# Altium PCB IMX93EVK-SOM_Only-BGA-Fanouts_PrePlaced.PcbDoc (part 3 of 4) (continued)
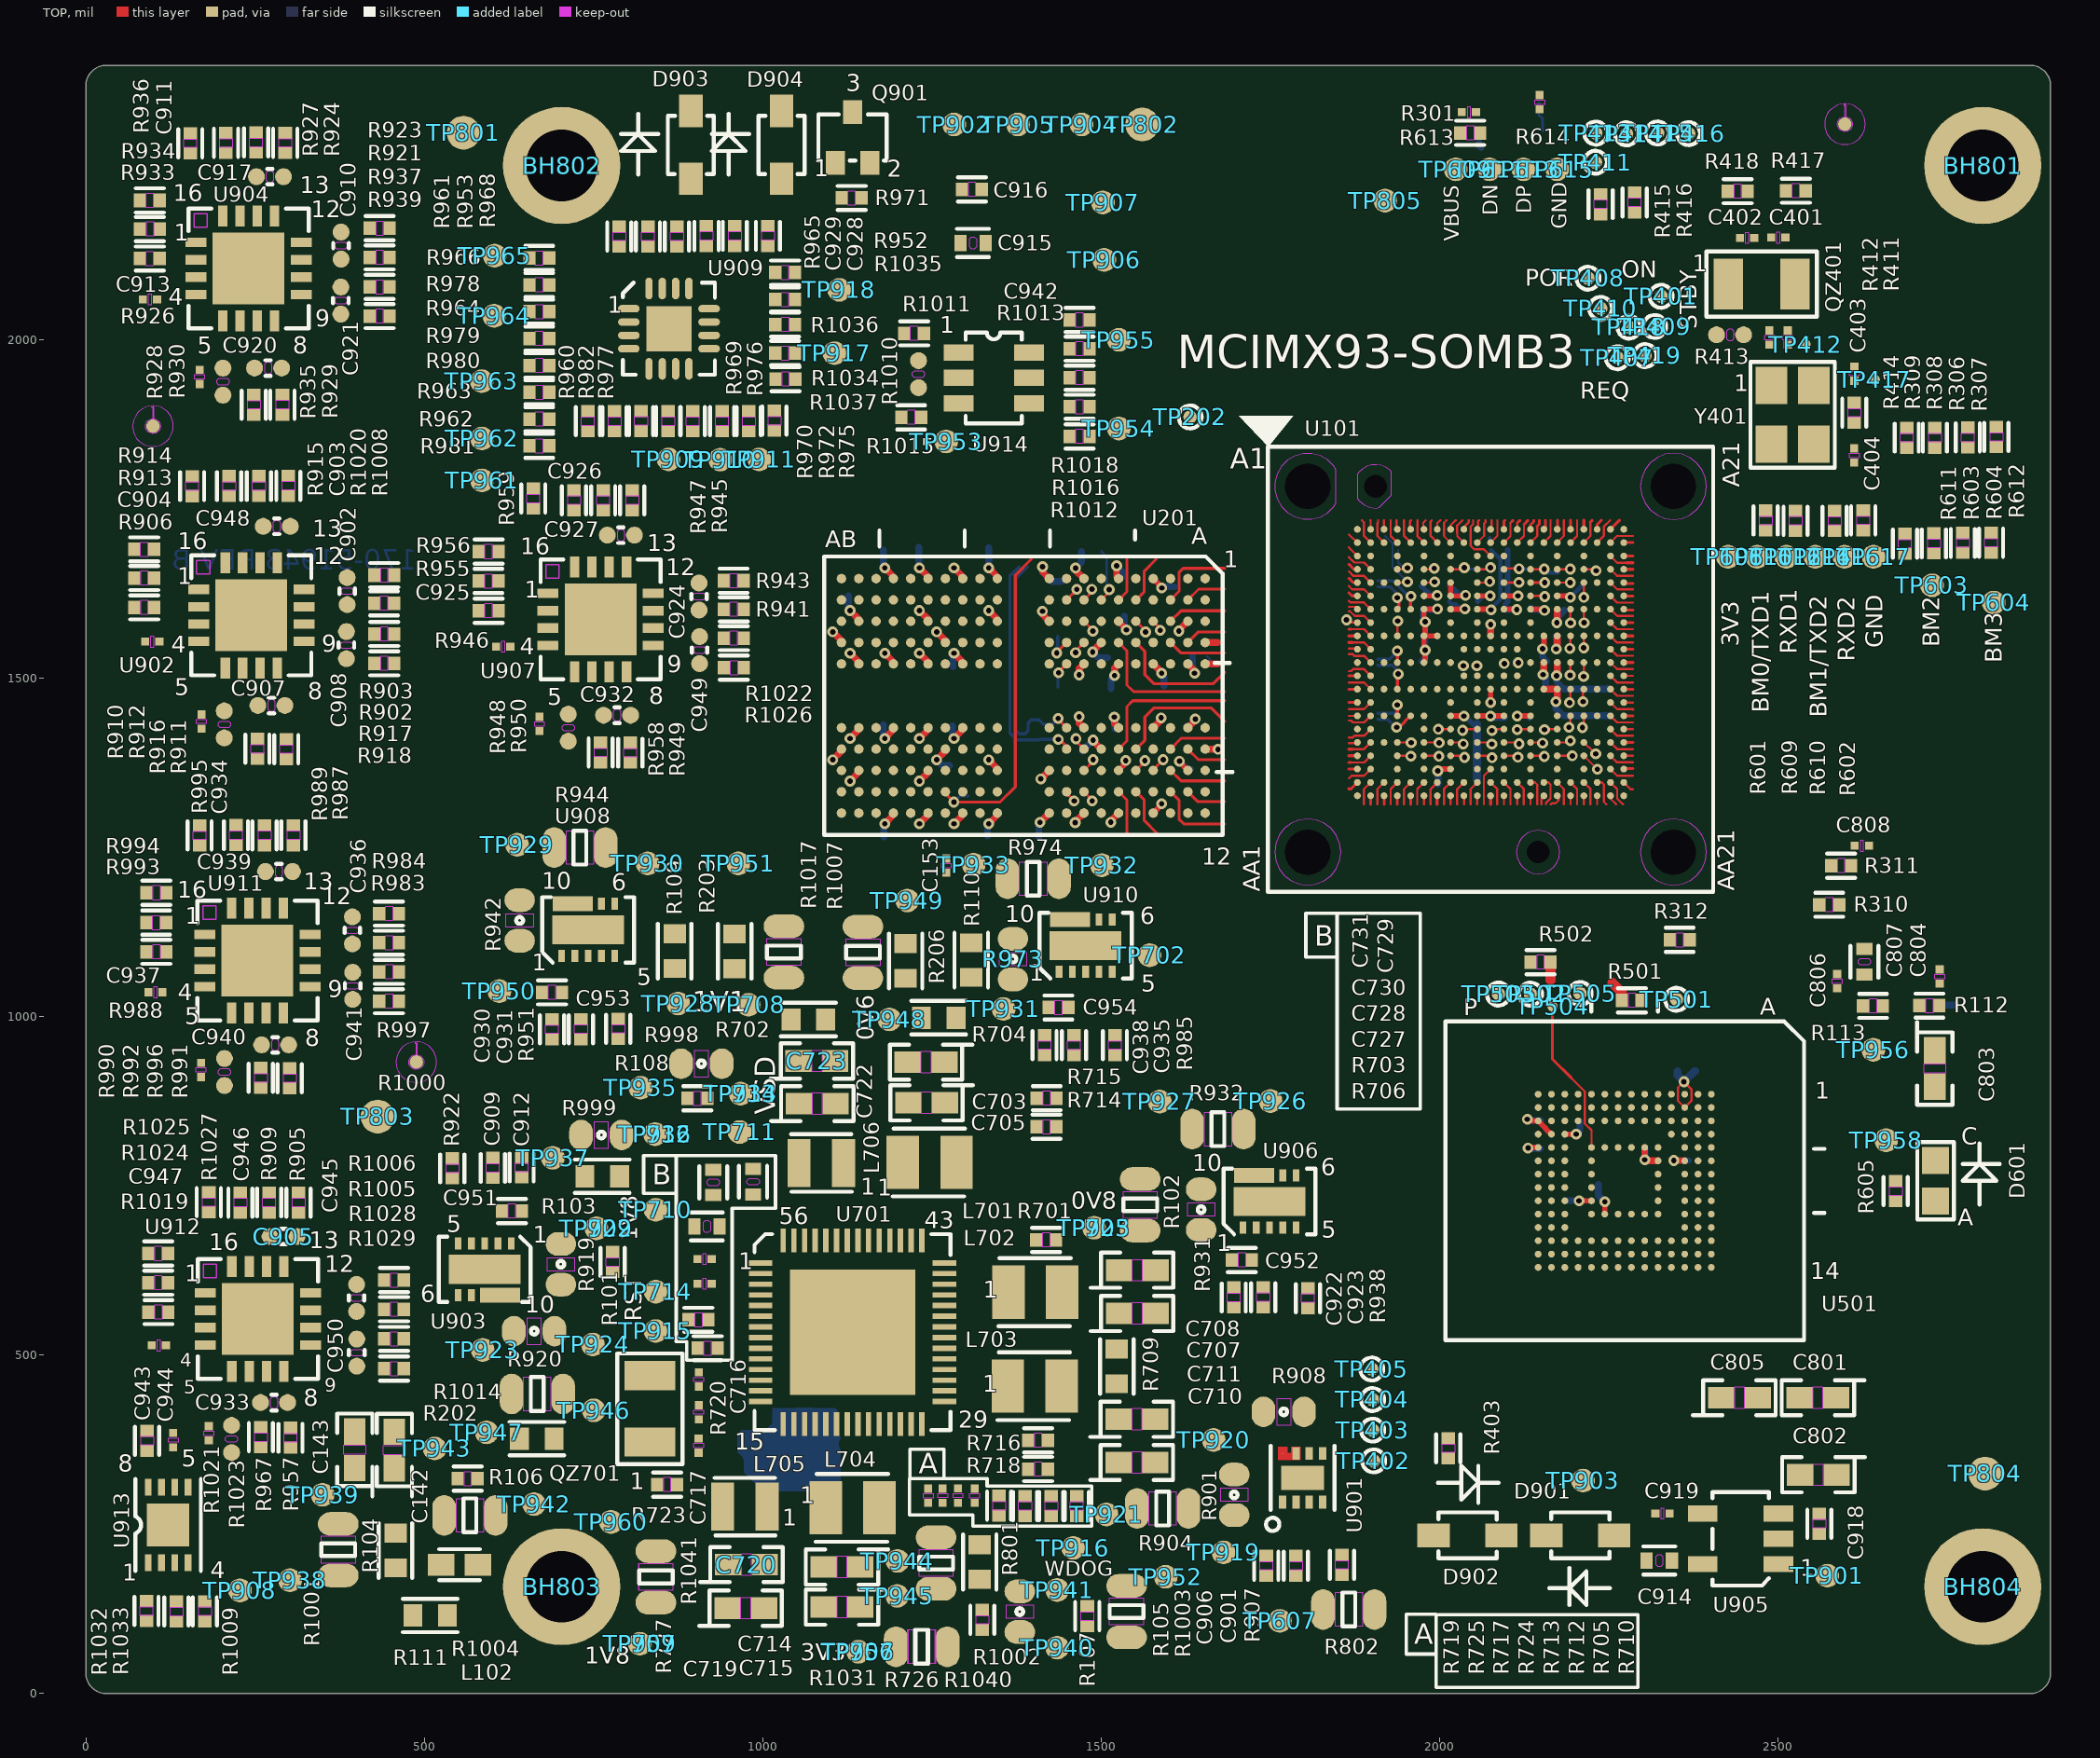
[diagram p0: TOP view]
## Nets (pads, with @x,y where several pads share a name; then routed paths per layer and width w, separated by ;. In a path a pad name is that pad's centre, name@x,y a point inside that pad or via, vN(x,y) a via of type N, cw(c..) or ccw(c..) an arc to the next point about the centre after c; other vN are vias at no path point) (continued)
  BOTTOM w10: C219.1@1126.83,1621.92 1126.83,1602.68 v1(1129.23,1600.28) ; C215.1@1178.33,1689.42 1178.33,1665.38 v1(1180.43,1663.28) ; C220.1@1178.6,1431.2 1178.6,1413.11 v1(1180.43,1411.28) ; C222.1@1179.22,1265.81 1179.22,1284.07 v1(1180.43,1285.28) ; C221.1@1534.49,1591.72 1534.49,1574.75 v1(1537.62,1571.62) ; v1(1589.66,1507.74) 1593.11,1504.29 C217.1@1593.11,1488.87 ; v1(1589.8,1633.6) 1591.74,1635.54 C216.1@1608.49,1635.54 ; v1(1616,1377.67) 1627.55,1366.12 C218.1@1632.44,1366.12 ; R209.1@1635.4,1532.71 1635.4,1510.66 v1(1638.31,1507.75)
LPD4/X_VDDQ_0V6: R110.2 R206.1 R702.2 R704.2 R921.1 R941.1 R973.1 R1007.1 TP702.1 TP931.1 TP948.1 U910.3 U910.11
LPD4X_VDDQ_0V6: C703.1 C705.1 L701.2 R704.1 U701.44
LVDS_CLK_N: J802.18 U101.A3 | length 13.2
  TOP w3.2: 1918.24,1731.24 1918.24,1733.57
  TOP w3.4: U101.A3@1918.24,1720.33 1918.24,1731.24
LVDS_CLK_P: J802.16 U101.B3 | length 37.4
  TOP w3.2: 1909.44,1733.57 1909.44,1730.58 1908.49,1729.63 1908.49,1710.4 U101.B3@1918.24,1700.65
LVDS_TX0_N: J802.30 U101.A5 | length 14.3
  TOP w3.2: U101.A5@1957.61,1720.33 1956.66,1721.28 1956.66,1732.04 1958.19,1733.57
LVDS_TX0_P: J802.28 U101.B5 | length 37
  TOP w3.2: 1947.86,1733.57 1947.86,1710.4 U101.B5@1957.61,1700.65
LVDS_TX1_N: J802.24 U101.A4 | length 13.7
  TOP w3.2: 1936.81,1733.57 1936.81,1721.44 U101.A4@1937.92,1720.33
LVDS_TX1_P: J802.22 U101.B4 | length 37
  TOP w3.2: 1928.01,1733.57 1928.01,1710.56 U101.B4@1937.92,1700.65
LVDS_TX2_N: J802.12 U101.A2 | length 13.3
  TOP w3.2: 1898.34,1733.57 1898.55,1733.36 U101.A2@1898.55,1720.33
LVDS_TX2_P: J802.10 U101.B2 | length 38.2
  TOP w3.2: 1885.74,1733.57 1888.68,1730.63 1888.68,1710.52 U101.B2@1898.55,1700.65
LVDS_TX3_N: J802.6 U101.B1 | length 17.4
  TOP w3.2: 1866.4,1712.56 1872.63,1706.33 1873.19,1706.33 U101.B1@1878.87,1700.65
LVDS_TX3_P: J802.4 U101.C1 | length 17.6
  TOP w3.2: 1866.4,1693.43 U101.C1@1878.87,1680.96
M1_SCL: R906.1 U902.4
M1_SDA: R910.1 U902.5
M2_SCL: R926.1 U904.4
M2_SDA: R928.1 U904.5
M3_SCL: R946.1 U907.4
M3_SDA: R948.1 U907.5
M4_SCL: R988.1 U911.4
M4_SDA: R990.1 U911.5
M5_SCL: R1019.1 U912.4
M5_SDA: R1021.1 U912.5
MX_POR_B: C405.1 R404.2 R406.2 TP408.1 U101.A16 | length 13.5
  TOP w4.4: U101.A16@2174.15,1720.33 2174.8,1720.98 2174.8,1733.57
NetC401_1: C401.1 QZ401.2 R412.2 R413.1
NetC710_1: C710.1 C711.1 L703.2 R709.2 R716.1
NetC728_1: C728.1 TP710.1 U701.2
NetC902_1: C902.1 R902.2 R1044.2 U902.11
NetC902_2: C902.2 R903.2 R1045.2 U902.12
NetC905_1: C905.1 R905.2 U912.13
NetC905_2: C905.2 R909.2 U912.14
NetC907_1: C907.1 R911.2 R1042.2 U902.8
NetC907_2: C907.2 R916.2 R1043.2 U902.7
NetC908_1: C908.1 R917.2 U902.10
NetC908_2: C908.2 R918.2 U902.9
NetC910_1: C910.1 R921.2 U904.11
NetC910_2: C910.2 R923.2 U904.12
NetC914_1: C914.1 D901.A U905.5
NetC917_1: C917.1 R924.2 U904.13
NetC917_2: C917.2 R927.2 U904.14
NetC919_1: C919.1 U905.4
NetC920_1: C920.1 R929.2 U904.8
NetC920_2: C920.2 R935.2 U904.7
NetC921_1: C921.1 R937.2 U904.10
NetC921_2: C921.2 R939.2 U904.9
NetC924_1: C924.1 R941.2 U907.11
NetC924_2: C924.2 R943.2 U907.12
NetC927_1: C927.1 R945.2 U907.13
NetC927_2: C927.2 R947.2 U907.14
NetC932_1: C932.1 R949.2 U907.8
NetC932_2: C932.2 R958.2 U907.7
NetC933_1: C933.1 R957.2 U912.8
NetC933_2: C933.2 R967.2 U912.7
NetC936_1: C936.1 R983.2 U911.11
NetC936_2: C936.2 R984.2 U911.12
NetC939_1: C939.1 R987.2 U911.13
NetC939_2: C939.2 R989.2 U911.14
NetC940_1: C940.1 R991.2 U911.8
NetC940_2: C940.2 R996.2 U911.7
NetC941_1: C941.1 R997.2 U911.10
NetC941_2: C941.2 R1000.2 U911.9
NetC945_1: C945.1 R1005.2 U912.11
NetC945_2: C945.2 R1006.2 U912.12
NetC948_1: C948.1 R1008.2 U902.13
NetC948_2: C948.2 R1020.2 U902.14
NetC949_1: C949.1 R1022.2 U907.10
NetC949_2: C949.2 R1026.2 U907.9
NetC950_1: C950.1 R1028.2 U912.10
NetC950_2: C950.2 R1029.2 U912.9
NetC951_1: C951.1 U903.1
NetC952_1: C952.1 U906.1
NetC953_1: C953.1 U908.1
NetC954_1: C954.1 U910.1
NetD601_A: D601.A R605.2
NetD903_A: D903.A D904.A R952.2 U909.11
NetD904_C: D904.C Q901.3
NetJ802_51: J802.51 TP805.1
NetL701_1: L701.1 U701.45 U701.46
NetL702_1: L702.1 U701.36 U701.37
NetL703_1: L703.1 U701.31 U701.32
NetL704_1: L704.1 U701.19 U701.20
NetL705_1: L705.1 U701.15
NetL706_1: L706.1 U701.50 U701.51
NetR302_2: R302.2 U101.D8 | length 42.4
  TOP w3.2: U101.D8@2016.66,1661.28 2034.53,1661.28 v1(2036.97,1663.72)
  BOTTOM w4.4: v1(2036.97,1663.72) 2039.25,1661.44 R302.2@2057.1,1661.44
NetR701_2: R701.2 R711.1 U701.38
NetR703_2: R703.2 R706.2 U701.8
NetR705_2: R705.2 R710.2 U701.28
NetR707_2: R707.2 U701.39
NetR708_2: R708.2 U701.40
NetR714_2: R714.2 U701.41
NetR715_2: R715.2 U701.42
NetR716_2: R716.2 R718.1 U701.30
NetR717_2: R717.2 R724.2 U701.25
NetR719_2: R719.2 R725.2 U701.24
NetR723_1: R723.1 U701.12
NetR907_2: R907.2 U901.6
NetR908_2: R908.2 U901.5
NetR912_1: R912.1 U902.6
NetR913_1: R913.1 R914.1 U902.1
NetR915_1: R915.1 U902.16
NetR922_2: R922.2 U903.7
NetR930_1: R930.1 U904.6
NetR933_1: R933.1 R934.1 U904.1
NetR936_1: R936.1 U904.16
NetR938_2: R938.2 U906.7
NetR950_1: R950.1 U907.6
NetR951_2: R951.2 U908.7
NetR953_2: R953.2 R961.2 U909.16
NetR955_1: R955.1 R956.1 U907.1
NetR959_1: R959.1 U907.16
NetR960_1: R960.1 R982.1 U909.5
NetR962_1: R962.1 R981.1 U909.4
NetR963_1: R963.1 R980.1 U909.3
NetR964_1: R964.1 R979.1 U909.2
NetR966_1: R966.1 R978.1 U909.1
NetR969_1: R969.1 R977.2 U909.6
NetR970_1: R970.1 R976.2 U909.7
NetR972_1: R972.1 R975.2 U909.8
NetR985_2: R985.2 U910.7
NetR992_1: R992.1 U911.6
NetR993_1: R993.1 R994.1 U911.1
NetR995_1: R995.1 U911.16
NetR1010_1: R1010.1 R1011.2 U914.1
NetR1010_2: R1010.2 R1015.1 TP953.1 U914.3
NetR1012_2: R1012.2 R1016.1 TP954.1 U914.4
NetR1013_2: R1013.2 R1018.1 TP955.1 U914.5
NetR1023_1: R1023.1 U912.6
NetR1024_1: R1024.1 R1025.1 U912.1
NetR1027_1: R1027.1 U912.16
NetR1032_2: R1032.2 U913.1
NetR1033_2: R1033.2 U913.2
NetR1034_1: R1034.1 R1037.2 U909.9
NetR1035_1: R1035.1 R1036.2 U909.10
NetTP202_1: TP202.1 U101.D4 | length 51.5
  TOP w3.2: U101.D4@1937.92,1661.28 1951.01,1661.28 v1(1952.93,1663.2)
  BOTTOM w3.2: 1939.12,1689.7 1939.12,1671.02 1946.94,1663.2 v1(1952.93,1663.2)
NetTP504_1: TP504.1 U501.K5 | length 232.4
  TOP w3.2: 2194.71,909.79 2214.92,889.58 2214.92,845.57 2215.03,845.46 2215.03,842.2 2224.78,832.45 U501.K5@2224.78,806.87
  TOP w4.4: TP504.1@2167.09,1015.41 2167.09,937.41 2194.71,909.79
NetTP714_1: TP714.1 U701.6
NVCC_1P8: C116.1 C117.1 R106.1 R1004.2 R1029.1 TP943.1 U101.R10 U101.R12 U101.W8 | length 101.9
  TOP w8: v1(1997.7,1363.31) 2000.39,1366 U101.W8@2016.66,1366 ; U101.R10@2056.03,1444.74 2075.23,1444.74 v1(2075.55,1444.42) 2075.75,1444.42 2076.07,1444.74 U101.R12@2095.41,1444.74
  BOTTOM w10: v1(1997.7,1363.31) 1998.16,1362.85 C116.1@1998.16,1343.55 ; v1(2075.55,1444.42) 2077.74,1442.23 C117.1@2096.88,1442.23
NVCC_3P3: R107.1 R112.2 R113.2 R989.1 R1003.2 TP952.1
NVCC_AON: C119.1 C804.1 J803.90 R112.1 R306.1 R307.1 R308.1 R309.1 R601.1 R602.1 R603.1 R604.1 R705.1 TP608.1 U101.L16 | length 135.4
  TOP w10: v1(2173.2,1504.03) 2174.15,1504.98 U101.L16@2174.15,1523.48
  BOTTOM w10: v1(2173.2,1504.03) 2173.2,1494.77 2183.63,1484.34 2247.36,1484.34 C119.1@2249,1485.98 ; J803.90@2737.55,1017.49 2763.05,1017.49
NVCC_BBSM_1P8: C101.1 R101.2 R903.1 R918.1 R920.2 TP924.1 U101.G12 | length 126.1
  TOP w8: U101.G12@2095.41,1602.22 2113.86,1602.22 v1(2114.46,1601.62)
  BOTTOM w8: C101.1@2097.04,1602.16 2097.04,1609.39 2100.86,1613.21 2100.86,1689.7
  BOTTOM w10: C101.1@2097.04,1602.16 2113.92,1602.16 v1(2114.46,1601.62)
NVCC_BBSM_1V8: C727.1 C809.1 J802.53 Q901.1 R101.1 R401.1 R404.1 R405.1 R703.1 R902.1 R919.1 R971.1 TP709.1 TP922.1 U701.3 U903.3 U903.11
NVCC_GPIO: C118.1 C806.1 J803.89 R113.1 U101.N15 U101.N16 | length 130.3
  TOP w10: U101.N15@2154.46,1484.11 U101.N16@2174.15,1484.11 2174.15,1467.41 v1(2172.29,1465.55)
  BOTTOM w10: v1(2172.29,1465.55) 2172.29,1455.35 2182.8,1444.84 C118.1@2249,1444.84
NVCC_SD: C731.1 R108.2 R929.1 R998.1 TP713.1 TP934.1 U701.55
NVCC_SD2: C129.1 C808.1 J803.55 R108.1 R310.1 R311.1 R312.1 R935.1 R998.2 TP935.1 U101.R16
ODT_CA_A: R210.2 U201.G2 | length 81
  TOP w3.2: U201.G2@1500.39,1616.01 1512.16,1627.78 v1(1512.16,1631.21)
  BOTTOM w3.2: R210.2@1503.18,1685.04 1508.14,1680.08 1508.14,1635.23 v1(1512.16,1631.21)
  BOTTOM w4.1: R210.2@1500.76,1687.46 R210.2@1503.18,1685.04
ONOFF: J802.75 R405.2 TP401.1 U101.A19 | length 15.8
  TOP w4.4: U101.A19@2233.2,1720.33 2233.2,1727.37 2239.4,1733.57
PDM_CLK: J803.11 U101.G17 | length 91
  TOP w3.6: v1(2193.83,1582.04) U101.G17@2193.83,1602.22
  L3_INT_1 w3.2: 2252.13,1605.89 2254,1607.76
  L3_INT_1 w3.6: v1(2193.83,1582.04) 2217.68,1605.89 2252.13,1605.89
PDM_DATA0: J803.13 U101.J17 | length 89.5
  TOP w3.6: v1(2192.68,1544.31) 2193.83,1545.46 U101.J17@2193.83,1562.85
  L3_INT_1 w3.2: v1(2192.68,1544.31) 2214.75,1566.38 2254,1566.38
PDM_DATA1: J803.15 U101.G18 | length 66.8
  TOP w3.6: U101.G18@2213.52,1602.22 2213.52,1582.58 v1(2213.83,1582.27)
  L3_INT_1 w3.6: v1(2213.83,1582.27) 2229.56,1598 2254,1598
PMIC_32K_OUT: J801.34 R411.1 U701.7
PMIC_NINT: J801.32 U701.13
PMIC_ON_REQ: J802.63 R401.2 R418.1 R707.1 TP407.1 U101.A17 | length 13.2
  TOP w4.4: U101.A17@2193.83,1720.33 2193.83,1733.57
PMIC_SCLH: J801.31 R724.1
PMIC_SCLL: J801.27 R712.2 U701.27
PMIC_SDAH: J801.33 R725.1
PMIC_SDAL: J801.29 R713.2 U701.26
PMIC_STBY_REQ: J802.73 R417.1 R708.1 TP409.1 U101.B18 | length 38
  TOP w3.2: U101.B18@2213.52,1700.65 2223.27,1710.4 2223.27,1731.11
  TOP w4.4: 2223.27,1731.11 2225.73,1733.57
POR_B: J802.57 Q901.2 R406.1 R971.2 U701.9
S1_CPU_VDD2_DDR: R937.1 R942.2 R944.1 TP929.1 U908.10
S1_CPU_VDDQ_DDR: R945.1 R973.2 R974.1 TP932.1 U910.10
S1_NVCC_BBSM_1V8: R917.1 R919.2 R920.1 TP923.1 U903.10
S1_VDD_SOC_0V8: R924.1 R931.2 R932.1 TP926.1 U906.10
S1_VSYS_5V: R901.2 R904.1 R908.1 R983.1 TP920.1 U901.7
SAI1_RXD0: J803.18 U101.H20 | length 37.1
  TOP w3.2: U101.H20@2252.89,1582.54 2262.64,1572.79 2285.96,1572.79
SAI1_TXC: J803.14 U101.G20 | length 37.2
  TOP w3.2: U101.G20@2252.89,1602.22 2262.82,1592.29 2285.96,1592.29
SAI1_TXD0: J803.16 R604.2 R612.1 TP604.1 U101.H21 | length 13.5
  TOP w4.4: U101.H21@2272.57,1582.54 2272.92,1582.19 2285.96,1582.19
SAI1_TXFS: J803.12 R603.2 R611.1 TP603.1 U101.G21 | length 13.9
  TOP w4.4: U101.G21@2272.57,1602.22 2273.8,1600.99 2285.96,1600.99
SD1_CLK: TP503.1 U101.Y11 U501.M6 | length 36.3
  TOP w3.2: U101.Y11@2075.72,1346.32 2085.6,1336.44 2085.6,1314.16
SD1_CMD: R502.2 TP502.1 U101.AA12 U501.M5 | length 12.5
  TOP w3.2: 2095.41,1314.16 U101.AA12@2095.41,1326.63
SD1_DATA0: R501.2 TP501.1 U101.AA14 U501.A3 | length 12.5
  TOP w3.2: 2134.78,1314.16 U101.AA14@2134.78,1326.63
SD1_DATA1: U101.AA15 U501.A4 | length 13.9
  TOP w3.2: 2150.97,1314.16 2150.97,1323.14 U101.AA15@2154.46,1326.63
SD1_DATA2: U101.AA16 U501.A5 | length 21.4
  TOP w3.2: 2164.85,1314.16 2166.31,1315.62 2171.99,1315.62 2176.31,1319.94 2176.31,1324.47 U101.AA16@2174.15,1326.63
SD1_DATA3: U101.AA13 U501.B2 | length 12.5
  TOP w3.2: 2115.09,1314.16 U101.AA13@2115.09,1326.63
SD1_DATA4: U101.Y13 U501.B3 | length 36.2
  TOP w3.2: U101.Y13@2115.09,1346.32 2124.86,1336.54 2124.86,1314.16
SD1_DATA5: U101.Y14 U501.B4 | length 40.1
  TOP w3.2: U101.Y14@2134.78,1346.32 2141.37,1346.32 2144.57,1343.12 2144.57,1314.16
SD1_DATA6: U101.Y15 U501.B5 | length 43.1
  TOP w3.2: U101.Y15@2154.46,1346.32 2161.2,1346.32 2164.4,1343.12 2164.4,1322.78 2157.37,1315.75 2157.37,1314.16
SD1_DATA7: U101.Y16 U501.B6 | length 36.2
  TOP w3.2: U101.Y16@2174.15,1346.32 2183.9,1336.57 2183.9,1314.16
SD1_STROBE: TP505.1 U101.Y12 U501.H5 | length 36.2
  TOP w3.2: U101.Y12@2095.41,1346.32 2105.16,1336.57 2105.16,1314.16
SD2_CLK: J803.65 U101.AA19 | length 12.5
  TOP w3.2: 2233.2,1314.16 U101.AA19@2233.2,1326.63
SD2_CMD: J803.63 R311.2 U101.Y19 | length 41.6
  TOP w3.2: U101.Y19@2233.2,1346.32 2239.94,1346.32 2243.14,1343.12 2243.14,1317.47 2246.45,1314.16
SD2_DATA0: J803.69 R310.2 U101.Y18 | length 36.2
  TOP w3.2: U101.Y18@2213.52,1346.32 2223.36,1336.48 2223.36,1314.16
SD2_DATA1: J803.71 U101.AA18 | length 12.5
  TOP w3.2: 2213.52,1314.16 U101.AA18@2213.52,1326.63
SD2_DATA2: J803.59 U101.Y20 | length 39.7
  TOP w3.2: U101.Y20@2252.89,1346.32 2262.82,1336.39 2262.82,1322.51 2271.17,1314.16
SD2_DATA3: J803.61 U101.AA20 | length 15.9
  TOP w3.2: U101.AA20@2252.89,1326.63 2252.89,1322.53 2261.26,1314.16
SD2_NCD: J803.73 U101.Y17 | length 36.2
  TOP w3.2: U101.Y17@2193.83,1346.32 2203.66,1336.49 2203.66,1314.16
SD2_RESET_B: R312.2 R723.2 U101.AA17 | length 12.5
  TOP w3.2: 2193.83,1314.16 U101.AA17@2193.83,1326.63
SD2_VSEL: U101.V18 U701.29 | length 48.7
  TOP w3.2: U101.V18@2213.52,1385.69 v1(2233.4,1365.8)
  L3_INT_1 w3.6: v1(2233.4,1365.8) 2254,1365.8
SD3_CLK: J803.62 U101.V16 | length 70.8
  TOP w3.2: U101.V16@2174.15,1385.69 2196.43,1385.69 v1(2196.52,1385.6)
  L3_INT_1 w3.6: v1(2196.52,1385.6) 2212,1370.12 2212,1344.98 2212.98,1344
SD3_CMD: J803.64 U101.U16 | length 116.8
  TOP w3.2: U101.U16@2174.15,1405.37 2191.22,1405.37 v1(2193.68,1407.83)
  L3_INT_1 w3.6: v1(2193.68,1407.83) 2220.6,1380.91 2220.6,1360.49 2231.01,1350.08 2254,1350.08
SD3_DATA0: J803.66 U101.T16 | length 109
  TOP w3.2: v1(2155.4,1424.35) 2156.11,1425.06 U101.T16@2174.15,1425.06
  L3_INT_1 w3.6: v1(2155.4,1424.35) 2178.49,1401.26 2178.49,1344
SD3_DATA1: J803.70 U101.V14 | length 67.5
  TOP w3.2: U101.V14@2134.78,1385.69 2154.28,1385.69 v1(2155.26,1384.71)
  L3_INT_1 w3.6: v1(2155.26,1384.71) 2169.52,1370.45 2169.52,1344
SD3_DATA2: J803.72 U101.U14 | length 83.9
  TOP w3.2: U101.U14@2134.78,1405.37 2151.75,1405.37 v1(2152.57,1404.55)
  L3_INT_1 w3.6: 2140.46,1344 2140.17,1344.29 2140.17,1392.15 v1(2152.57,1404.55)
SD3_DATA3: J803.74 U101.T14 | length 106.8
  TOP w3.2: v1(2115.15,1424.42) 2115.79,1425.06 U101.T14@2134.78,1425.06
  L3_INT_1 w3.6: v1(2115.15,1424.42) 2115.15,1424.22 2130.69,1408.68 2130.69,1344
SYS_NRST: J802.77 R706.1 TP915.1
TAMPER0: J802.61 TP410.1 U101.B16 | length 37
  TOP w3.2: U101.B16@2174.15,1700.65 2184,1710.5 2184,1733.57
TAMPER1: J802.59 TP411.1 U101.F14 | length 105.9
  TOP w3.6: U101.F14@2134.78,1621.91 2154.71,1621.91 v1(2155.73,1620.89)
  L3_INT_1 w3.6: v1(2155.73,1620.89) 2156.75,1621.91 2158.72,1621.91 2178.18,1641.37 2178.18,1695
TEMP_NINT: R1009.2 TP908.1 U913.3
UART1_RXD: J803.3 TP612.1 U101.E20 | length 37.2
  TOP w3.2: U101.E20@2252.89,1641.59 2262.82,1631.66 2285.96,1631.66
UART1_TXD: J803.1 R601.2 R609.1 TP610.1 U101.E21 | length 14
  TOP w4.4: U101.E21@2272.57,1641.59 2273.93,1640.23 2285.96,1640.23
UART2_RXD: J803.7 TP616.1 U101.F20 | length 37.2
  TOP w3.2: U101.F20@2252.89,1621.91 2262.77,1612.03 2285.96,1612.03
UART2_TXD: J803.5 R602.2 R610.1 TP614.1 U101.F21 | length 13.6
  TOP w4.4: U101.F21@2272.57,1621.91 2273.05,1621.43 2285.96,1621.43
USB1_DN: J802.50 TP611.1 U101.A14 | length 15.1
  TOP w4: U101.A14@2134.78,1720.33 2134.78,1727.05 2139.32,1731.59 2139.32,1733.57
USB1_DP: J802.52 TP613.1 U101.B14 | length 38.3
  TOP w3.2: U101.B14@2134.78,1700.65 2144.55,1710.42 2144.55,1724.79
  TOP w4: 2144.55,1724.79 2147.82,1728.06 2147.82,1733.57
USB1_ID: J802.56 U101.C11 | length 74.8
  TOP w3.2: 2049.93,1733.57 2049.93,1728.02 2046.25,1724.34 2046.25,1696.05 2051.51,1690.79 2065.89,1690.79 U101.C11@2075.72,1680.96
USB1_RXN: J802.34 U101.A12 | length 13.8
  TOP w4: U101.A12@2095.41,1720.33 2095.41,1732.14 2096.84,1733.57
USB1_RXP: J802.36 U101.B12 | length 38.5
  TOP w3: U101.B12@2095.41,1700.65 2105.07,1710.31 2105.07,1729.77
  TOP w4: 2105.07,1729.77 2108.87,1733.57
USB1_TXN: J802.40 U101.A13 | length 14.9
  TOP w4: U101.A13@2115.09,1720.33 2115.09,1729.59 2119.07,1733.57
USB1_TXP: J802.42 U101.B13 | length 39.2
  TOP w3.2: U101.B13@2115.09,1700.65 2125,1710.56 2125,1727.47
  TOP w4: 2125,1727.47 2130.32,1732.79 2130.32,1733.57
USB1_TXRTUNE: R303.1 U101.D12 | length 43.1
  TOP w3.2: U101.D12@2095.41,1661.28 2096.89,1662.76 2115.54,1662.76 2116.24,1662.06 v1(2117.74,1662.06)
  BOTTOM w3.6: v1(2117.74,1662.06) 2118.21,1661.59 2132.25,1661.59 R303.1@2135.89,1665.23
USB1_VBUS: R613.1 TP609.1
USB1_VBUS_3V3: J802.46 R301.2 R613.2 R614.1 | length 27.2
  BOTTOM w8: J802.46@2058.21,2308.9 2058.21,2286.67 2061.75,2283.13
USB2_DN: J802.62 U101.A15 | length 14.1
  TOP w4: U101.A15@2154.46,1720.33 2156.6,1722.47 2156.6,1733.57
USB2_DP: J802.64 U101.B15 | length 37
  TOP w3: U101.B15@2154.46,1700.65 2164.27,1710.46 2164.27,1733.57
USB2_ID: J802.68 U101.E12 | length 84
  TOP w3.6: U101.E12@2095.41,1641.59 2114.76,1641.59 2115.23,1642.06 v1(2117.65,1642.06)
  L3_INT_1 w3.6: v1(2117.65,1642.06) 2117.89,1642.3 2120.89,1642.3 2134.15,1655.56 2134.15,1695
USB2_TXRTUNE: R305.1 U101.D14 | length 43
  TOP w3.2: U101.D14@2134.78,1661.28 2154.91,1661.28 v1(2154.91,1661.59)
  BOTTOM w6: v1(2154.91,1661.59) 2160.23,1656.27 R305.1@2175.22,1656.27
USB2_VBUS_3V3: J802.58 R304.2 | length 44.6
  BOTTOM w4.4: R304.2@2146.92,2351.07 2146.92,2332.87 2152.7,2327.09 J802.58@2152.7,2308.9
VBUS1_DET_3V3: R301.1 U101.F12 | length 101.4
  TOP w8: U101.F12@2095.41,1621.91 2116.08,1621.91 v1(2116.27,1622.1)
  L3_INT_1 w8: 2098.13,1695 2098.13,1640.24 v1(2116.27,1622.1)
VBUS2_DET_3V3: R304.1 U101.E14 | length 79.8
  TOP w3.6: U101.E14@2134.78,1641.59 v1(2155.67,1641.6)
  L3_INT_1 w3.6: v1(2155.67,1641.6) 2155.72,1641.6 2168.89,1654.77 2168.89,1695
VDD2_DDR: C136.1 C137.1 C138.1 C139.1 C140.1 C141.1 C156.1 R109.1 R939.1 R944.2 R958.1 TP930.1 U101.L7 U101.N6 U101.N7 U101.R6 U101.T6
VDD_1P8: C719.1 C720.1 L705.2 R727.1 R1041.1 R1044.1 TP707.1 TP959.1 U701.14
VDD_1V8: C504.1 C505.1 C506.1 C507.1 C805.1 J801.19 J801.20 J801.21 J801.22 J801.23 J801.24 J801.25 J801.26 L102.1 R106.2 R202.1 R501.1 R502.1 R712.1 R713.1 R727.2 R1004.1 R1005.1 R1014.1 R1028.1 R1041.2 R1045.1 TP942.1 TP946.1 TP960.1 U501.C6 U501.M4 U501.N4 U501.P3 U501.P5 | length 232.6
  TOP w8: v1(2130.03,848.73) 2132.52,846.24 U501.P3@2146.04,846.24 2156.53,835.75 2156.53,835.25 2165.22,826.56 U501.N4@2165.72,826.56 ; v1(2131.05,806.16) 2131.76,806.87 U501.P5@2146.04,806.87 ; U501.M4@2185.41,826.56 v1(2202.1,826.56)
  TOP w10: v1(2346.33,787.6) 2362.16,787.6 U501.C6@2362.57,787.19
  TOP w15: 2164.22,1054.48 R502.1@2164.22,1080.83 ; 2255.53,1049.96 2269.66,1035.83 R501.1@2269.66,1024.33
  BOTTOM w10: v1(2130.03,848.73) 2132.09,846.67 C505.1@2149.42,846.67 ; v1(2131.05,806.16) 2132.17,805.04 C506.1@2149.11,805.04 ; v1(2202.1,826.56) 2207.8,832.26 C507.1@2207.8,845.33 ; v1(2346.33,787.6) C504.1@2367.65,787.6
VDD_3P3: C714.1 C715.1 L704.2 R726.1 R1040.1 R1042.1 TP706.1 TP957.1 U701.21
VDD_3V3: C501.1 C502.1 C503.1 C724.2 C803.1 J803.91 J803.92 J803.93 J803.94 J803.95 J803.96 J803.97 J803.98 J803.99 J803.100 R105.1 R107.2 R605.1 R726.2 R987.1 R991.1 R1002.1 R1003.1 R1040.2 R1043.1 TP940.1 TP956.1 TP958.1 U501.E6 U501.F5 U501.J10 U501.K9 U701.22 | length 143
  TOP w8: v1(2206.47,728.13) U501.K9@2224.78,728.13 ; U501.J10@2244.46,708.45 v1(2244.46,726.83)
  TOP w10: U501.F5@2303.52,806.87 v1(2303.52,788.71) 2305.04,787.19 U501.E6@2323.2,787.19
  BOTTOM w10: C503.1@2186,728.27 2206.33,728.27 v1(2206.47,728.13) ; C501.1@2235.03,752.27 2235.03,736.26 v1(2244.46,726.83) ; v1(2303.52,788.71) 2304.26,789.45 C502.1@2304.26,806.33
VDD_ANA_0P8: C130.1 C131.1 C132.1 C134.1 C135.1 R103.2 R999.2 R1000.1 TP937.1 U101.F10 U101.G8 U101.J15 U101.J16 U101.R14 | length 210.2
  TOP w8: U101.G8@2016.66,1602.22 2037.26,1602.22 v1(2037.71,1602.67) ; U101.F10@2056.03,1621.91 v1(2075.13,1621.91) ; v1(2115.15,1444.42) 2115.47,1444.74 U101.R14@2134.78,1444.74 ; v1(2152.48,1543.73) 2152.48,1544.91 2154.46,1546.89 U101.J15@2154.46,1562.85
  TOP w10: v1(2172.7,1543.39) 2174.15,1544.84 U101.J16@2174.15,1562.85
  BOTTOM w6: C132.1@2014.48,1613.66 2018.56,1609.58 2024.54,1609.58 2031.25,1602.87 2037.51,1602.87 v1(2037.71,1602.67)
  BOTTOM w8: C134.1@2056.4,1613.95 2064.36,1621.91 v1(2075.13,1621.91) ; v1(2115.15,1444.42) 2129.81,1444.42 C131.1@2133.27,1440.96
  BOTTOM w10: v1(2152.48,1543.73) 2152.48,1531.41 C135.1@2158.83,1525.06 ; C130.1@2171.79,1562.5 2172.7,1561.59 v1(2172.7,1543.39)
VDD_ANA_0V8: C730.1 R103.1 R997.1 R999.1 TP712.1 TP936.1 U701.1
VDD_ANA_1P8: C142.1 C143.1 C144.1 C145.1 C146.1 C147.1 C148.1 C149.1 R104.2 R909.1 R1001.2 TP939.1 U101.E8 U101.F6 U101.F8 U101.F16 U101.G16 U101.L15 U101.R8 | length 486.9
  TOP w8: U101.F6@1977.29,1621.91 1996.2,1621.91 v1(1996.83,1622.54) ; U101.R8@2016.66,1444.74 2036.04,1444.74 v1(2036.36,1444.42) ; U101.E8@2016.66,1641.59 U101.F8@2016.66,1621.91 2037.76,1621.91 v1(2038.77,1622.92) ; U101.F16@2174.15,1621.91 2191.59,1621.91 v1(2193.52,1619.98)
  TOP w10: v1(2153.24,1505.63) 2154.46,1506.85 U101.L15@2154.46,1523.48 ; v1(2173.52,1582.43) 2174.15,1583.06 U101.G16@2174.15,1602.22
  L3_INT_1 w12: v1(2153.24,1505.63) 2153.24,1509.66 2165.24,1521.66 2254,1521.66
  BOTTOM w6: v1(2193.52,1619.98) 2212.7,1639.16 C149.1@2212.84,1639.16
  BOTTOM w8: C144.1@1973.42,1636.09 1986.97,1622.54 v1(1996.83,1622.54) ; C147.1@2014.48,1636.58 2016.83,1636.58 2030.49,1622.92 v1(2038.77,1622.92) ; v1(2036.36,1444.42) 2037.58,1444.42 2049.85,1432.15 C146.1@2055.51,1432.15
  BOTTOM w10: v1(2153.24,1505.63) 2157.12,1501.75 C145.1@2157.12,1485.9 ; v1(2173.52,1582.43) 2173.52,1589.8 C148.1@2184.43,1600.71
  BOTTOM w12: 2055.51,1350 C146.1@2055.51,1432.15
VDD_ANA_1V8: L102.2 R104.1 R111.2 R905.1 R1001.1 TP938.1
VDD_SNVS_0V8: C102.1 U101.G14 | length 42.5
  TOP w8: U101.G14@2134.78,1602.22 2151.32,1602.22 2151.94,1601.6 2154.16,1601.6 v1(2155.37,1600.39)
  BOTTOM w10: C102.1@2135.81,1604.34 2138.55,1601.6 2154.16,1601.6 v1(2155.37,1600.39)
VDD_SOC: C106.1 C107.1 C108.1 C109.1 C110.1 C111.1 C114.1 C124.1 R102.2 R711.2 R927.1 R932.2 R1020.1 TP927.1 U101.J9 U101.J10 U101.J11 U101.J12 U101.J13 U101.K9 U101.K10 U101.K12 U101.K13 U101.M9 U101.M10 U101.M12 U101.M13 U101.N9 U101.N10 U101.N11 U101.N12 U101.N13 | length 36.6
  TOP w8: v1(2075.72,1464.42) U101.N11@2075.72,1484.11
  TOP w10: U101.J11@2075.72,1562.85 v1(2075.72,1579.79)
  other v1: 2035.44,1518.78 2055.54,1518.8 2096,1521.88 2116.69,1523.23
VDD_SOC_0V8: C707.1 C708.1 L702.2 R102.1 R701.1 R709.1 R931.1 R1008.1 TP703.1 TP925.1 U906.3 U906.11
VDD_USB_3P3: C155.1 R105.2 R996.1 R1002.2 TP941.1 U101.G10 | length 128.1
  TOP w8: U101.G10@2056.03,1602.22 2075.37,1602.22 v1(2076.31,1601.28)
  BOTTOM w6: 2074.23,1699.7 C155.1@2074.23,1707.32 ; v1(2076.31,1601.28) 2076.31,1603.28 2090.23,1617.2 2090.23,1676.13 2076.66,1689.7
VDDQ_DDR: C151.1 C152.1 C153.1 C154.1 R110.1 R943.1 R947.1 R974.2 TP933.1 U101.G6 U101.J6 U101.J7 U101.L6 | length 202.5
  TOP w8: U101.L6@1977.29,1523.48 1978.97,1525.16 v1(1978.97,1541.78) 1977.29,1543.46 U101.J6@1977.29,1562.85 ; U101.J7@1996.98,1562.85 U101.J6@1977.29,1562.85 ; v1(1997.1,1602.46) 1996.86,1602.22 U101.G6@1977.29,1602.22 1977.29,1585.27 v1(1978.99,1583.57) 1978.99,1564.55 U101.J6@1977.29,1562.85
  BOTTOM w10: C154.1@1973.96,1525.06 1978.97,1530.07 v1(1978.97,1541.78) 1978.97,1560.4 C151.1@1976.61,1562.76 ; C152.1@1976.3,1602.08 1976.3,1586.26 v1(1978.99,1583.57) ; C152.1@1976.3,1602.08 1996.71,1602.07 v1(1997.1,1602.46)
VINT: C706.1 U701.4
VLDO3_1V8: C729.1 R111.1 TP711.1 U701.54
VLS_3V3: C901.1 C906.1 C909.1 C912.1 C922.1 C923.1 C930.1 C931.1 C935.1 C938.1 D901.C D902.C R907.1 R922.1 R938.1 R951.1 R985.1 TP903.1 U901.3 U903.4 U906.4 U908.4 U910.4
VMEAS_3V3: C903.1 C904.1 C911.1 C913.1 C915.1 C916.1 C925.1 C926.1 C928.1 C929.1 C934.1 C937.1 C942.1 C943.1 C944.1 C946.1 C947.1 D902.A J901.1 J901.11 R914.2 R915.2 R934.2 R936.2 R952.1 R953.1 R956.2 R959.2 R975.1 R976.1 R977.1 R994.2 R995.2 R1009.1 R1011.1 R1012.1 R1013.1 R1025.2 R1027.2 R1036.1 R1037.1 TP902.1 U902.2 U902.15 U904.2 U904.15 U907.2 U907.15 U909.12 U911.2 U911.15 U912.2 U912.15 U913.8 U914.6
VSD2_3V3: C807.1 J803.77 J803.78 J803.79 J803.80 R801.2 R967.1 R1031.2 TP945.1
VSD_3V3: C725.1 R801.1 R957.1 R1031.1 TP944.1 U701.23
VSYS_5V: C701.2 C702.2 C704.1 C709.2 C712.2 C713.2 C718.2 C721.2 C726.1 R802.1 R904.2 R916.1 R984.1 TP607.1 TP921.1 U701.16 U701.17 U701.18 U701.33 U701.34 U701.35 U701.47 U701.48 U701.49 U701.53 U701.56
WDOG_B: J803.17 R710.1 TP916.1 U101.J18 | length 63.6
  TOP w3.6: v1(2213.3,1545.21) 2213.52,1545.43 U101.J18@2213.52,1562.85
  L3_INT_1 w3.2: v1(2213.3,1545.21) 2225.79,1557.7 2254,1557.7
XIN_32K: C716.1 QZ701.2 R720.1 U701.10
XOUT_32K: C717.1 QZ701.1 R720.2 U701.11